# KiCad board demo_matrix2.kicad_pcb (continued)
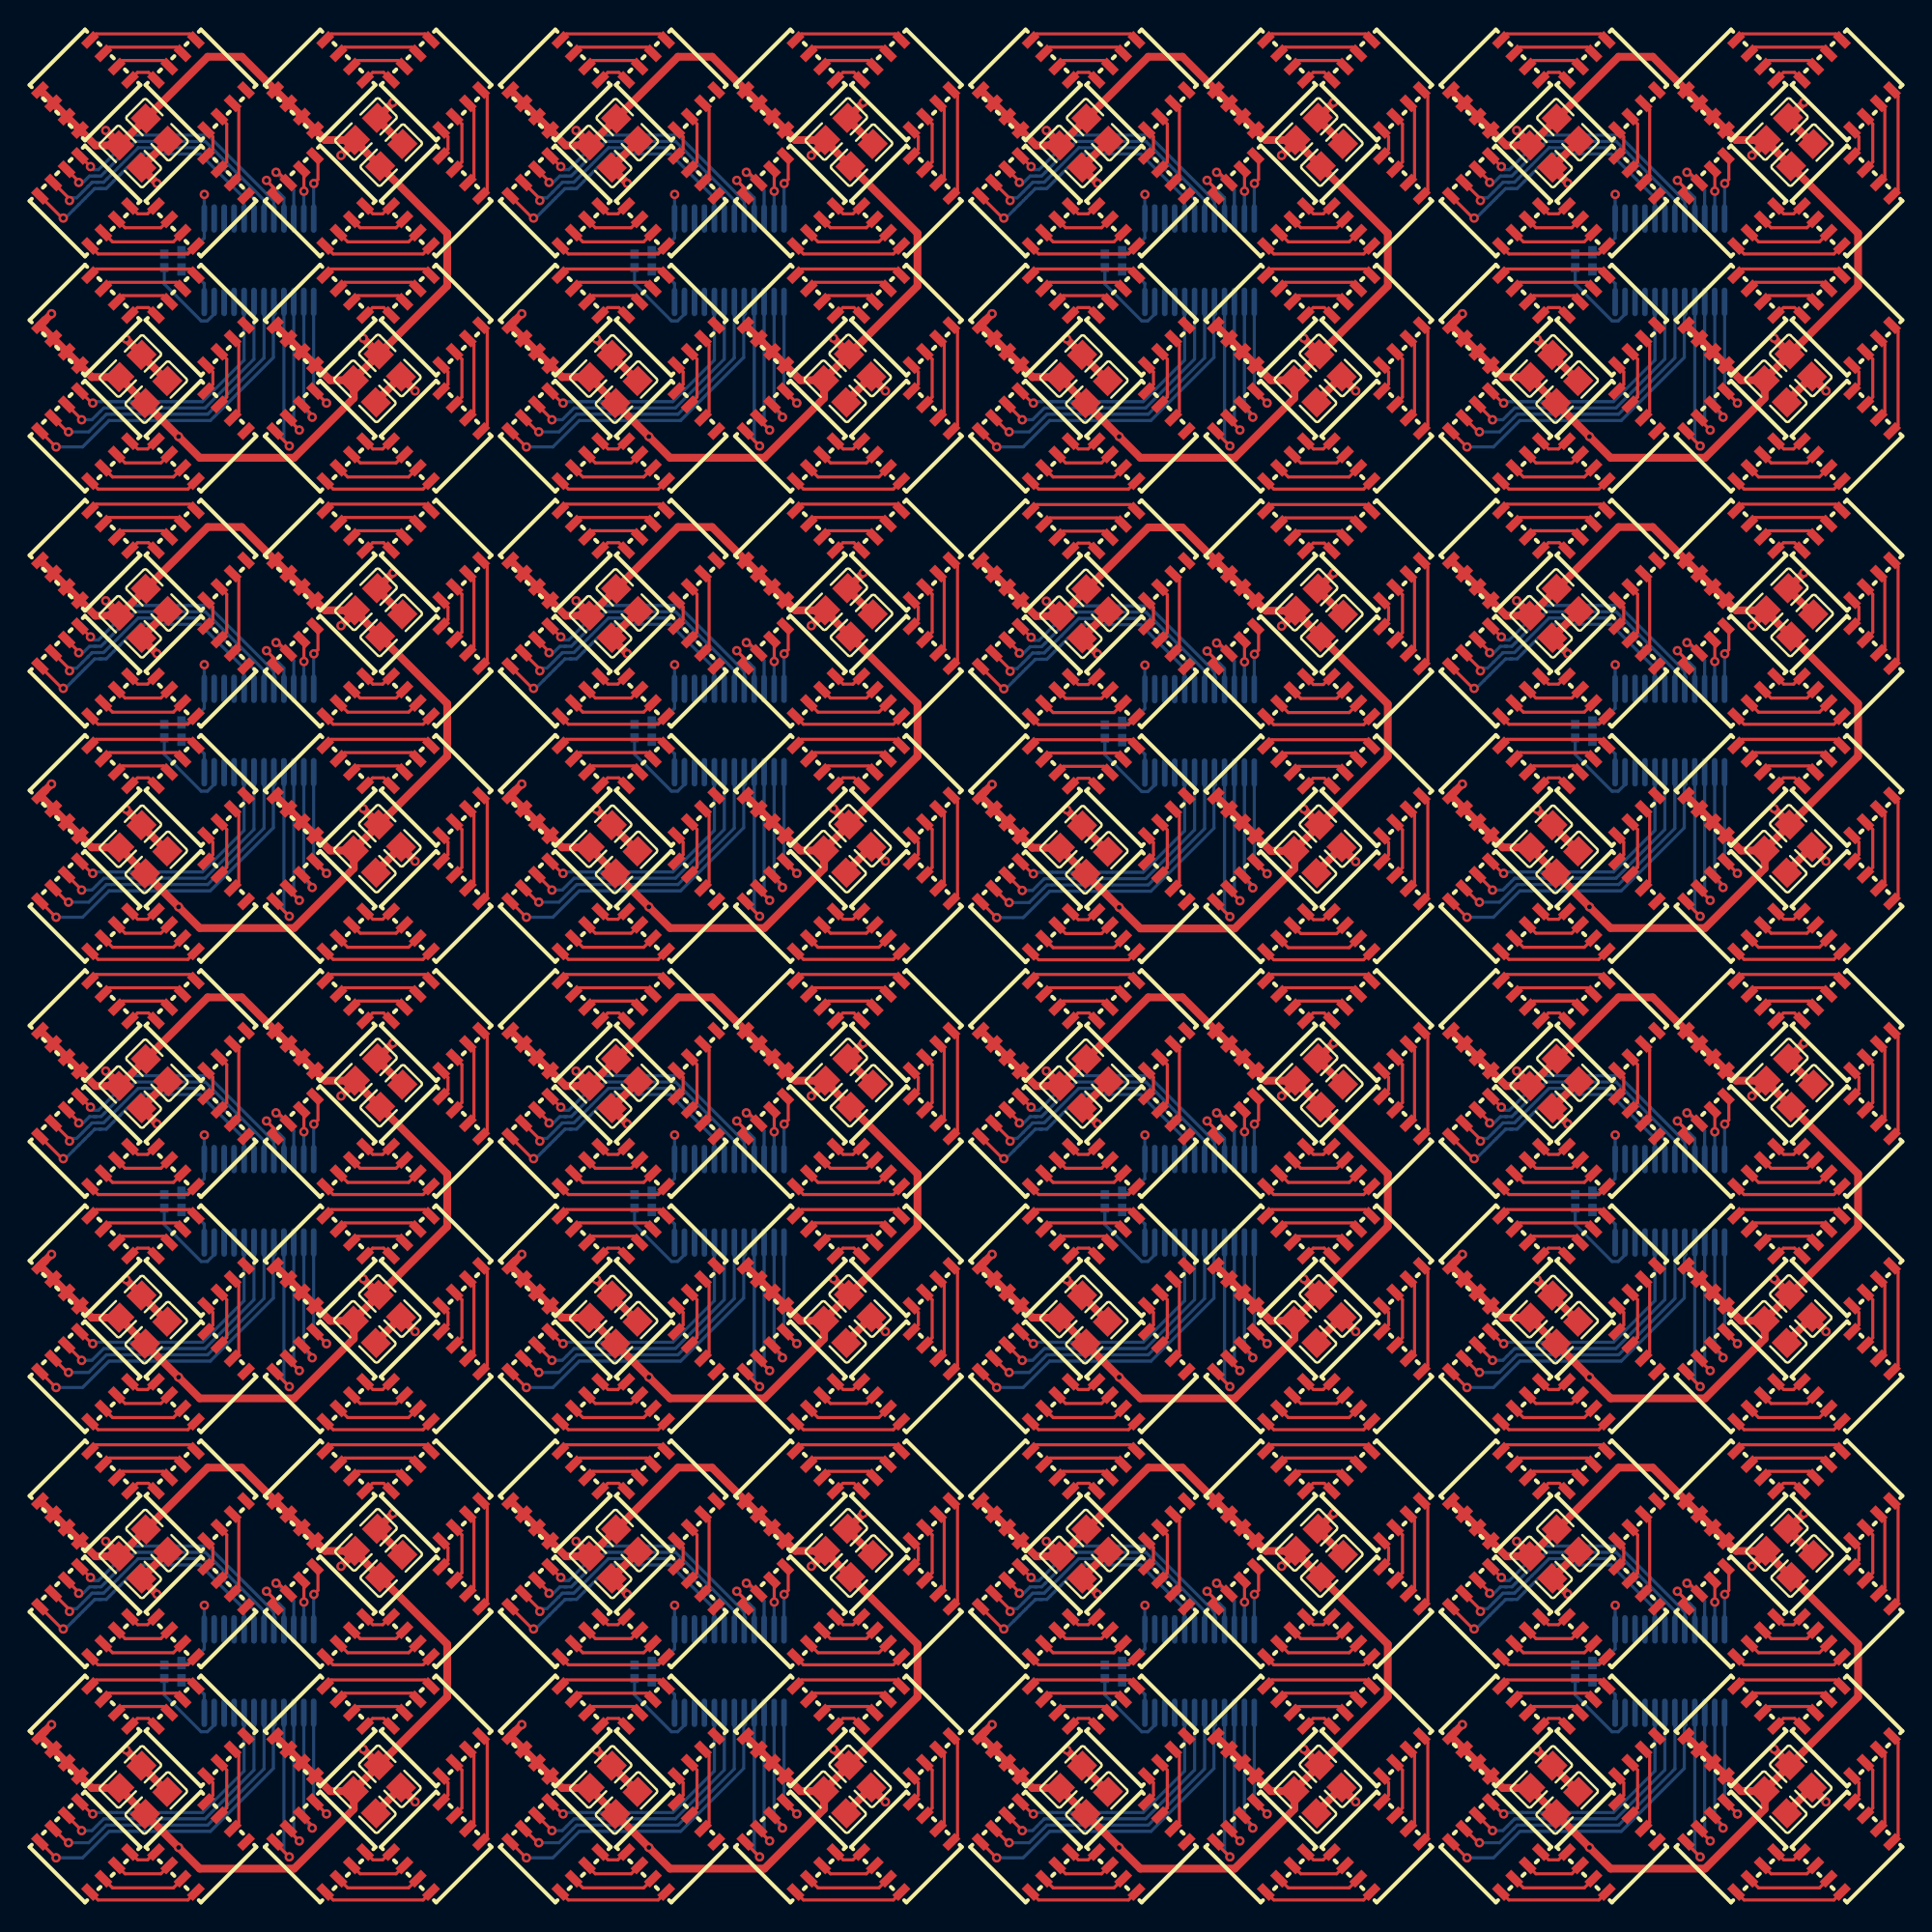
[diagram p0: board, top side]
## Library data of the parts (continued)
R3 = -: Datasheet: https://www.lcsc.com/datasheet/lcsc_datasheet_2411221126_UNI-ROYAL-Uniroyal-Elec-0402WGF1002TCE_C25744.pdf; checksum: 6794d27730a4ff2200dab6be287e37b344d99a421712ea6a3ee1068f57fa7c12; __atopile_lib_fp_hash__: f67d9541-b893-78ac-aa2d-47e1c8a7e46a; LCSC: C25744; Manufacturer: UNI-ROYAL(Uniroyal Elec); Partnumber: 0402WGF1002TCE; PARAM_max_power: {"type": "Quantity_Set_Discrete", "data": {"intervals": {"type": "Numeric_Interval_Disjoint", "data": {"intervals": [{"type": "Numeric_Interval", "data": {"min": 0.0625, "max": 0.0625}}]}}, "unit": "watt"}}; PARAM_max_voltage: {"type": "Quantity_Set_Discrete", "data": {"intervals": {"type": "Numeric_Interval_Disjoint", "data": {"intervals": [{"type": "Numeric_Interval", "data": {"min": 50.0, "max": 50.0}}]}}, "unit": "volt"}}; PARAM_resistance: {"type": "Quantity_Interval_Disjoint", "data": {"intervals": {"type": "Numeric_Interval_Disjoint", "data": {"intervals": [{"type": "Numeric_Interval", "data": {"min": 9900.000002235174, "max": 10099.999997764826}}]}}, "unit": "ohm"}}; atopile_address: clusters[2].driver.rext_resistor; atopile_subaddresses: [elec/layout/cluster2x2/cluster2x2.kicad_pcb:driver.rext_resistor, elec/src/macroblock-mbi5043/layouts/default/default.kicad_pcb:rext_resistor]
R4 = -: Datasheet: https://www.lcsc.com/datasheet/lcsc_datasheet_2411221126_UNI-ROYAL-Uniroyal-Elec-0402WGF1002TCE_C25744.pdf; checksum: 6794d27730a4ff2200dab6be287e37b344d99a421712ea6a3ee1068f57fa7c12; __atopile_lib_fp_hash__: f67d9541-b893-78ac-aa2d-47e1c8a7e46a; LCSC: C25744; Manufacturer: UNI-ROYAL(Uniroyal Elec); Partnumber: 0402WGF1002TCE; PARAM_max_power: {"type": "Quantity_Set_Discrete", "data": {"intervals": {"type": "Numeric_Interval_Disjoint", "data": {"intervals": [{"type": "Numeric_Interval", "data": {"min": 0.0625, "max": 0.0625}}]}}, "unit": "watt"}}; PARAM_max_voltage: {"type": "Quantity_Set_Discrete", "data": {"intervals": {"type": "Numeric_Interval_Disjoint", "data": {"intervals": [{"type": "Numeric_Interval", "data": {"min": 50.0, "max": 50.0}}]}}, "unit": "volt"}}; PARAM_resistance: {"type": "Quantity_Interval_Disjoint", "data": {"intervals": {"type": "Numeric_Interval_Disjoint", "data": {"intervals": [{"type": "Numeric_Interval", "data": {"min": 9900.000002235174, "max": 10099.999997764826}}]}}, "unit": "ohm"}}; atopile_address: clusters[3].driver.rext_resistor; atopile_subaddresses: [elec/layout/cluster2x2/cluster2x2.kicad_pcb:driver.rext_resistor, elec/src/macroblock-mbi5043/layouts/default/default.kicad_pcb:rext_resistor]
R5 = -: Datasheet: https://www.lcsc.com/datasheet/lcsc_datasheet_2411221126_UNI-ROYAL-Uniroyal-Elec-0402WGF1002TCE_C25744.pdf; checksum: 6794d27730a4ff2200dab6be287e37b344d99a421712ea6a3ee1068f57fa7c12; __atopile_lib_fp_hash__: f67d9541-b893-78ac-aa2d-47e1c8a7e46a; LCSC: C25744; Manufacturer: UNI-ROYAL(Uniroyal Elec); Partnumber: 0402WGF1002TCE; PARAM_max_power: {"type": "Quantity_Set_Discrete", "data": {"intervals": {"type": "Numeric_Interval_Disjoint", "data": {"intervals": [{"type": "Numeric_Interval", "data": {"min": 0.0625, "max": 0.0625}}]}}, "unit": "watt"}}; PARAM_max_voltage: {"type": "Quantity_Set_Discrete", "data": {"intervals": {"type": "Numeric_Interval_Disjoint", "data": {"intervals": [{"type": "Numeric_Interval", "data": {"min": 50.0, "max": 50.0}}]}}, "unit": "volt"}}; PARAM_resistance: {"type": "Quantity_Interval_Disjoint", "data": {"intervals": {"type": "Numeric_Interval_Disjoint", "data": {"intervals": [{"type": "Numeric_Interval", "data": {"min": 9900.000002235174, "max": 10099.999997764826}}]}}, "unit": "ohm"}}; atopile_address: clusters[4].driver.rext_resistor; atopile_subaddresses: [elec/layout/cluster2x2/cluster2x2.kicad_pcb:driver.rext_resistor, elec/src/macroblock-mbi5043/layouts/default/default.kicad_pcb:rext_resistor]
R6 = -: Datasheet: https://www.lcsc.com/datasheet/lcsc_datasheet_2411221126_UNI-ROYAL-Uniroyal-Elec-0402WGF1002TCE_C25744.pdf; checksum: 6794d27730a4ff2200dab6be287e37b344d99a421712ea6a3ee1068f57fa7c12; __atopile_lib_fp_hash__: f67d9541-b893-78ac-aa2d-47e1c8a7e46a; LCSC: C25744; Manufacturer: UNI-ROYAL(Uniroyal Elec); Partnumber: 0402WGF1002TCE; PARAM_max_power: {"type": "Quantity_Set_Discrete", "data": {"intervals": {"type": "Numeric_Interval_Disjoint", "data": {"intervals": [{"type": "Numeric_Interval", "data": {"min": 0.0625, "max": 0.0625}}]}}, "unit": "watt"}}; PARAM_max_voltage: {"type": "Quantity_Set_Discrete", "data": {"intervals": {"type": "Numeric_Interval_Disjoint", "data": {"intervals": [{"type": "Numeric_Interval", "data": {"min": 50.0, "max": 50.0}}]}}, "unit": "volt"}}; PARAM_resistance: {"type": "Quantity_Interval_Disjoint", "data": {"intervals": {"type": "Numeric_Interval_Disjoint", "data": {"intervals": [{"type": "Numeric_Interval", "data": {"min": 9900.000002235174, "max": 10099.999997764826}}]}}, "unit": "ohm"}}; atopile_address: clusters[5].driver.rext_resistor; atopile_subaddresses: [elec/layout/cluster2x2/cluster2x2.kicad_pcb:driver.rext_resistor, elec/src/macroblock-mbi5043/layouts/default/default.kicad_pcb:rext_resistor]
R7 = -: Datasheet: https://www.lcsc.com/datasheet/lcsc_datasheet_2411221126_UNI-ROYAL-Uniroyal-Elec-0402WGF1002TCE_C25744.pdf; checksum: 6794d27730a4ff2200dab6be287e37b344d99a421712ea6a3ee1068f57fa7c12; __atopile_lib_fp_hash__: f67d9541-b893-78ac-aa2d-47e1c8a7e46a; LCSC: C25744; Manufacturer: UNI-ROYAL(Uniroyal Elec); Partnumber: 0402WGF1002TCE; PARAM_max_power: {"type": "Quantity_Set_Discrete", "data": {"intervals": {"type": "Numeric_Interval_Disjoint", "data": {"intervals": [{"type": "Numeric_Interval", "data": {"min": 0.0625, "max": 0.0625}}]}}, "unit": "watt"}}; PARAM_max_voltage: {"type": "Quantity_Set_Discrete", "data": {"intervals": {"type": "Numeric_Interval_Disjoint", "data": {"intervals": [{"type": "Numeric_Interval", "data": {"min": 50.0, "max": 50.0}}]}}, "unit": "volt"}}; PARAM_resistance: {"type": "Quantity_Interval_Disjoint", "data": {"intervals": {"type": "Numeric_Interval_Disjoint", "data": {"intervals": [{"type": "Numeric_Interval", "data": {"min": 9900.000002235174, "max": 10099.999997764826}}]}}, "unit": "ohm"}}; atopile_address: clusters[6].driver.rext_resistor; atopile_subaddresses: [elec/layout/cluster2x2/cluster2x2.kicad_pcb:driver.rext_resistor, elec/src/macroblock-mbi5043/layouts/default/default.kicad_pcb:rext_resistor]
R8 = -: Datasheet: https://www.lcsc.com/datasheet/lcsc_datasheet_2411221126_UNI-ROYAL-Uniroyal-Elec-0402WGF1002TCE_C25744.pdf; checksum: 6794d27730a4ff2200dab6be287e37b344d99a421712ea6a3ee1068f57fa7c12; __atopile_lib_fp_hash__: f67d9541-b893-78ac-aa2d-47e1c8a7e46a; LCSC: C25744; Manufacturer: UNI-ROYAL(Uniroyal Elec); Partnumber: 0402WGF1002TCE; PARAM_max_power: {"type": "Quantity_Set_Discrete", "data": {"intervals": {"type": "Numeric_Interval_Disjoint", "data": {"intervals": [{"type": "Numeric_Interval", "data": {"min": 0.0625, "max": 0.0625}}]}}, "unit": "watt"}}; PARAM_max_voltage: {"type": "Quantity_Set_Discrete", "data": {"intervals": {"type": "Numeric_Interval_Disjoint", "data": {"intervals": [{"type": "Numeric_Interval", "data": {"min": 50.0, "max": 50.0}}]}}, "unit": "volt"}}; PARAM_resistance: {"type": "Quantity_Interval_Disjoint", "data": {"intervals": {"type": "Numeric_Interval_Disjoint", "data": {"intervals": [{"type": "Numeric_Interval", "data": {"min": 9900.000002235174, "max": 10099.999997764826}}]}}, "unit": "ohm"}}; atopile_address: clusters[7].driver.rext_resistor; atopile_subaddresses: [elec/layout/cluster2x2/cluster2x2.kicad_pcb:driver.rext_resistor, elec/src/macroblock-mbi5043/layouts/default/default.kicad_pcb:rext_resistor]
R9 = -: Datasheet: https://www.lcsc.com/datasheet/lcsc_datasheet_2411221126_UNI-ROYAL-Uniroyal-Elec-0402WGF1002TCE_C25744.pdf; checksum: 6794d27730a4ff2200dab6be287e37b344d99a421712ea6a3ee1068f57fa7c12; __atopile_lib_fp_hash__: f67d9541-b893-78ac-aa2d-47e1c8a7e46a; LCSC: C25744; Manufacturer: UNI-ROYAL(Uniroyal Elec); Partnumber: 0402WGF1002TCE; PARAM_max_power: {"type": "Quantity_Set_Discrete", "data": {"intervals": {"type": "Numeric_Interval_Disjoint", "data": {"intervals": [{"type": "Numeric_Interval", "data": {"min": 0.0625, "max": 0.0625}}]}}, "unit": "watt"}}; PARAM_max_voltage: {"type": "Quantity_Set_Discrete", "data": {"intervals": {"type": "Numeric_Interval_Disjoint", "data": {"intervals": [{"type": "Numeric_Interval", "data": {"min": 50.0, "max": 50.0}}]}}, "unit": "volt"}}; PARAM_resistance: {"type": "Quantity_Interval_Disjoint", "data": {"intervals": {"type": "Numeric_Interval_Disjoint", "data": {"intervals": [{"type": "Numeric_Interval", "data": {"min": 9900.000002235174, "max": 10099.999997764826}}]}}, "unit": "ohm"}}; atopile_address: clusters[8].driver.rext_resistor; atopile_subaddresses: [elec/layout/cluster2x2/cluster2x2.kicad_pcb:driver.rext_resistor, elec/src/macroblock-mbi5043/layouts/default/default.kicad_pcb:rext_resistor]
R10 = -: Datasheet: https://www.lcsc.com/datasheet/lcsc_datasheet_2411221126_UNI-ROYAL-Uniroyal-Elec-0402WGF1002TCE_C25744.pdf; checksum: 6794d27730a4ff2200dab6be287e37b344d99a421712ea6a3ee1068f57fa7c12; __atopile_lib_fp_hash__: f67d9541-b893-78ac-aa2d-47e1c8a7e46a; LCSC: C25744; Manufacturer: UNI-ROYAL(Uniroyal Elec); Partnumber: 0402WGF1002TCE; PARAM_max_power: {"type": "Quantity_Set_Discrete", "data": {"intervals": {"type": "Numeric_Interval_Disjoint", "data": {"intervals": [{"type": "Numeric_Interval", "data": {"min": 0.0625, "max": 0.0625}}]}}, "unit": "watt"}}; PARAM_max_voltage: {"type": "Quantity_Set_Discrete", "data": {"intervals": {"type": "Numeric_Interval_Disjoint", "data": {"intervals": [{"type": "Numeric_Interval", "data": {"min": 50.0, "max": 50.0}}]}}, "unit": "volt"}}; PARAM_resistance: {"type": "Quantity_Interval_Disjoint", "data": {"intervals": {"type": "Numeric_Interval_Disjoint", "data": {"intervals": [{"type": "Numeric_Interval", "data": {"min": 9900.000002235174, "max": 10099.999997764826}}]}}, "unit": "ohm"}}; atopile_address: clusters[9].driver.rext_resistor; atopile_subaddresses: [elec/layout/cluster2x2/cluster2x2.kicad_pcb:driver.rext_resistor, elec/src/macroblock-mbi5043/layouts/default/default.kicad_pcb:rext_resistor]
R11 = -: Datasheet: https://www.lcsc.com/datasheet/lcsc_datasheet_2411221126_UNI-ROYAL-Uniroyal-Elec-0402WGF1002TCE_C25744.pdf; checksum: 6794d27730a4ff2200dab6be287e37b344d99a421712ea6a3ee1068f57fa7c12; __atopile_lib_fp_hash__: f67d9541-b893-78ac-aa2d-47e1c8a7e46a; LCSC: C25744; Manufacturer: UNI-ROYAL(Uniroyal Elec); Partnumber: 0402WGF1002TCE; PARAM_max_power: {"type": "Quantity_Set_Discrete", "data": {"intervals": {"type": "Numeric_Interval_Disjoint", "data": {"intervals": [{"type": "Numeric_Interval", "data": {"min": 0.0625, "max": 0.0625}}]}}, "unit": "watt"}}; PARAM_max_voltage: {"type": "Quantity_Set_Discrete", "data": {"intervals": {"type": "Numeric_Interval_Disjoint", "data": {"intervals": [{"type": "Numeric_Interval", "data": {"min": 50.0, "max": 50.0}}]}}, "unit": "volt"}}; PARAM_resistance: {"type": "Quantity_Interval_Disjoint", "data": {"intervals": {"type": "Numeric_Interval_Disjoint", "data": {"intervals": [{"type": "Numeric_Interval", "data": {"min": 9900.000002235174, "max": 10099.999997764826}}]}}, "unit": "ohm"}}; atopile_address: clusters[10].driver.rext_resistor; atopile_subaddresses: [elec/layout/cluster2x2/cluster2x2.kicad_pcb:driver.rext_resistor, elec/src/macroblock-mbi5043/layouts/default/default.kicad_pcb:rext_resistor]
R12 = -: Datasheet: https://www.lcsc.com/datasheet/lcsc_datasheet_2411221126_UNI-ROYAL-Uniroyal-Elec-0402WGF1002TCE_C25744.pdf; checksum: 6794d27730a4ff2200dab6be287e37b344d99a421712ea6a3ee1068f57fa7c12; __atopile_lib_fp_hash__: f67d9541-b893-78ac-aa2d-47e1c8a7e46a; LCSC: C25744; Manufacturer: UNI-ROYAL(Uniroyal Elec); Partnumber: 0402WGF1002TCE; PARAM_max_power: {"type": "Quantity_Set_Discrete", "data": {"intervals": {"type": "Numeric_Interval_Disjoint", "data": {"intervals": [{"type": "Numeric_Interval", "data": {"min": 0.0625, "max": 0.0625}}]}}, "unit": "watt"}}; PARAM_max_voltage: {"type": "Quantity_Set_Discrete", "data": {"intervals": {"type": "Numeric_Interval_Disjoint", "data": {"intervals": [{"type": "Numeric_Interval", "data": {"min": 50.0, "max": 50.0}}]}}, "unit": "volt"}}; PARAM_resistance: {"type": "Quantity_Interval_Disjoint", "data": {"intervals": {"type": "Numeric_Interval_Disjoint", "data": {"intervals": [{"type": "Numeric_Interval", "data": {"min": 9900.000002235174, "max": 10099.999997764826}}]}}, "unit": "ohm"}}; atopile_address: clusters[11].driver.rext_resistor; atopile_subaddresses: [elec/layout/cluster2x2/cluster2x2.kicad_pcb:driver.rext_resistor, elec/src/macroblock-mbi5043/layouts/default/default.kicad_pcb:rext_resistor]
R13 = -: Datasheet: https://www.lcsc.com/datasheet/lcsc_datasheet_2411221126_UNI-ROYAL-Uniroyal-Elec-0402WGF1002TCE_C25744.pdf; checksum: 6794d27730a4ff2200dab6be287e37b344d99a421712ea6a3ee1068f57fa7c12; __atopile_lib_fp_hash__: f67d9541-b893-78ac-aa2d-47e1c8a7e46a; LCSC: C25744; Manufacturer: UNI-ROYAL(Uniroyal Elec); Partnumber: 0402WGF1002TCE; PARAM_max_power: {"type": "Quantity_Set_Discrete", "data": {"intervals": {"type": "Numeric_Interval_Disjoint", "data": {"intervals": [{"type": "Numeric_Interval", "data": {"min": 0.0625, "max": 0.0625}}]}}, "unit": "watt"}}; PARAM_max_voltage: {"type": "Quantity_Set_Discrete", "data": {"intervals": {"type": "Numeric_Interval_Disjoint", "data": {"intervals": [{"type": "Numeric_Interval", "data": {"min": 50.0, "max": 50.0}}]}}, "unit": "volt"}}; PARAM_resistance: {"type": "Quantity_Interval_Disjoint", "data": {"intervals": {"type": "Numeric_Interval_Disjoint", "data": {"intervals": [{"type": "Numeric_Interval", "data": {"min": 9900.000002235174, "max": 10099.999997764826}}]}}, "unit": "ohm"}}; atopile_address: clusters[12].driver.rext_resistor; atopile_subaddresses: [elec/layout/cluster2x2/cluster2x2.kicad_pcb:driver.rext_resistor, elec/src/macroblock-mbi5043/layouts/default/default.kicad_pcb:rext_resistor]
R14 = -: Datasheet: https://www.lcsc.com/datasheet/lcsc_datasheet_2411221126_UNI-ROYAL-Uniroyal-Elec-0402WGF1002TCE_C25744.pdf; checksum: 6794d27730a4ff2200dab6be287e37b344d99a421712ea6a3ee1068f57fa7c12; __atopile_lib_fp_hash__: f67d9541-b893-78ac-aa2d-47e1c8a7e46a; LCSC: C25744; Manufacturer: UNI-ROYAL(Uniroyal Elec); Partnumber: 0402WGF1002TCE; PARAM_max_power: {"type": "Quantity_Set_Discrete", "data": {"intervals": {"type": "Numeric_Interval_Disjoint", "data": {"intervals": [{"type": "Numeric_Interval", "data": {"min": 0.0625, "max": 0.0625}}]}}, "unit": "watt"}}; PARAM_max_voltage: {"type": "Quantity_Set_Discrete", "data": {"intervals": {"type": "Numeric_Interval_Disjoint", "data": {"intervals": [{"type": "Numeric_Interval", "data": {"min": 50.0, "max": 50.0}}]}}, "unit": "volt"}}; PARAM_resistance: {"type": "Quantity_Interval_Disjoint", "data": {"intervals": {"type": "Numeric_Interval_Disjoint", "data": {"intervals": [{"type": "Numeric_Interval", "data": {"min": 9900.000002235174, "max": 10099.999997764826}}]}}, "unit": "ohm"}}; atopile_address: clusters[13].driver.rext_resistor; atopile_subaddresses: [elec/layout/cluster2x2/cluster2x2.kicad_pcb:driver.rext_resistor, elec/src/macroblock-mbi5043/layouts/default/default.kicad_pcb:rext_resistor]
R15 = -: Datasheet: https://www.lcsc.com/datasheet/lcsc_datasheet_2411221126_UNI-ROYAL-Uniroyal-Elec-0402WGF1002TCE_C25744.pdf; checksum: 6794d27730a4ff2200dab6be287e37b344d99a421712ea6a3ee1068f57fa7c12; __atopile_lib_fp_hash__: f67d9541-b893-78ac-aa2d-47e1c8a7e46a; LCSC: C25744; Manufacturer: UNI-ROYAL(Uniroyal Elec); Partnumber: 0402WGF1002TCE; PARAM_max_power: {"type": "Quantity_Set_Discrete", "data": {"intervals": {"type": "Numeric_Interval_Disjoint", "data": {"intervals": [{"type": "Numeric_Interval", "data": {"min": 0.0625, "max": 0.0625}}]}}, "unit": "watt"}}; PARAM_max_voltage: {"type": "Quantity_Set_Discrete", "data": {"intervals": {"type": "Numeric_Interval_Disjoint", "data": {"intervals": [{"type": "Numeric_Interval", "data": {"min": 50.0, "max": 50.0}}]}}, "unit": "volt"}}; PARAM_resistance: {"type": "Quantity_Interval_Disjoint", "data": {"intervals": {"type": "Numeric_Interval_Disjoint", "data": {"intervals": [{"type": "Numeric_Interval", "data": {"min": 9900.000002235174, "max": 10099.999997764826}}]}}, "unit": "ohm"}}; atopile_address: clusters[14].driver.rext_resistor; atopile_subaddresses: [elec/layout/cluster2x2/cluster2x2.kicad_pcb:driver.rext_resistor, elec/src/macroblock-mbi5043/layouts/default/default.kicad_pcb:rext_resistor]
R16 = -: Datasheet: https://www.lcsc.com/datasheet/lcsc_datasheet_2411221126_UNI-ROYAL-Uniroyal-Elec-0402WGF1002TCE_C25744.pdf; checksum: 6794d27730a4ff2200dab6be287e37b344d99a421712ea6a3ee1068f57fa7c12; __atopile_lib_fp_hash__: f67d9541-b893-78ac-aa2d-47e1c8a7e46a; LCSC: C25744; Manufacturer: UNI-ROYAL(Uniroyal Elec); Partnumber: 0402WGF1002TCE; PARAM_max_power: {"type": "Quantity_Set_Discrete", "data": {"intervals": {"type": "Numeric_Interval_Disjoint", "data": {"intervals": [{"type": "Numeric_Interval", "data": {"min": 0.0625, "max": 0.0625}}]}}, "unit": "watt"}}; PARAM_max_voltage: {"type": "Quantity_Set_Discrete", "data": {"intervals": {"type": "Numeric_Interval_Disjoint", "data": {"intervals": [{"type": "Numeric_Interval", "data": {"min": 50.0, "max": 50.0}}]}}, "unit": "volt"}}; PARAM_resistance: {"type": "Quantity_Interval_Disjoint", "data": {"intervals": {"type": "Numeric_Interval_Disjoint", "data": {"intervals": [{"type": "Numeric_Interval", "data": {"min": 9900.000002235174, "max": 10099.999997764826}}]}}, "unit": "ohm"}}; atopile_address: clusters[15].driver.rext_resistor; atopile_subaddresses: [elec/layout/cluster2x2/cluster2x2.kicad_pcb:driver.rext_resistor, elec/src/macroblock-mbi5043/layouts/default/default.kicad_pcb:rext_resistor]
U1 = -: Datasheet: https://lcsc.com/datasheet/lcsc_datasheet_1811151431_MBI-MBI5043GP-A_C110098.pdf; checksum: 5792f8483db8260f8c71da5608b862a12d506544ca95340a0a29b8e31339a3e3; __atopile_lib_fp_hash__: 9d096105-9cd5-0eb0-49a9-8c108e51ce37; LCSC: C110098; Manufacturer: MBI; Partnumber: MBI5043GP-A; atopile_address: clusters[0].driver.package; atopile_subaddresses: [elec/layout/cluster2x2/cluster2x2.kicad_pcb:driver.package, elec/src/macroblock-mbi5043/layouts/default/default.kicad_pcb:package]
U2 = -: checksum: abbb50a3236ad87f16b2eecc7cef22eaaafbaa4cd6fa429ffccee13826e3e06a; __atopile_lib_fp_hash__: 0e3c0a5e-8fd8-28f9-ced6-aad2b12f2041; atopile_address: clusters[0].rows[0].pixels[0].generic_pixel; atopile_subaddresses: [elec/layout/cluster2x2/cluster2x2.kicad_pcb:rows[0].pixels[0].generic_pixel, elec/layout/pixel15hl5050/pixel15hl5050.kicad_pcb:generic_pixel, elec/layout/row2/row2.kicad_pcb:pixels[0].generic_pixel]
U3 = -: checksum: abbb50a3236ad87f16b2eecc7cef22eaaafbaa4cd6fa429ffccee13826e3e06a; __atopile_lib_fp_hash__: 0e3c0a5e-8fd8-28f9-ced6-aad2b12f2041; atopile_address: clusters[0].rows[0].pixels[1].generic_pixel; atopile_subaddresses: [elec/layout/cluster2x2/cluster2x2.kicad_pcb:rows[0].pixels[1].generic_pixel, elec/layout/pixel15hl5050/pixel15hl5050.kicad_pcb:generic_pixel, elec/layout/row2/row2.kicad_pcb:pixels[1].generic_pixel]
U4 = -: checksum: abbb50a3236ad87f16b2eecc7cef22eaaafbaa4cd6fa429ffccee13826e3e06a; __atopile_lib_fp_hash__: 0e3c0a5e-8fd8-28f9-ced6-aad2b12f2041; atopile_address: clusters[0].rows[1].pixels[0].generic_pixel; atopile_subaddresses: [elec/layout/cluster2x2/cluster2x2.kicad_pcb:rows[1].pixels[0].generic_pixel, elec/layout/pixel15hl5050/pixel15hl5050.kicad_pcb:generic_pixel, elec/layout/row2/row2.kicad_pcb:pixels[0].generic_pixel]
U5 = -: checksum: abbb50a3236ad87f16b2eecc7cef22eaaafbaa4cd6fa429ffccee13826e3e06a; __atopile_lib_fp_hash__: 0e3c0a5e-8fd8-28f9-ced6-aad2b12f2041; atopile_address: clusters[0].rows[1].pixels[1].generic_pixel; atopile_subaddresses: [elec/layout/cluster2x2/cluster2x2.kicad_pcb:rows[1].pixels[1].generic_pixel, elec/layout/pixel15hl5050/pixel15hl5050.kicad_pcb:generic_pixel, elec/layout/row2/row2.kicad_pcb:pixels[1].generic_pixel]
U6 = -: Datasheet: https://lcsc.com/datasheet/lcsc_datasheet_1811151431_MBI-MBI5043GP-A_C110098.pdf; checksum: 5792f8483db8260f8c71da5608b862a12d506544ca95340a0a29b8e31339a3e3; __atopile_lib_fp_hash__: 9d096105-9cd5-0eb0-49a9-8c108e51ce37; LCSC: C110098; Manufacturer: MBI; Partnumber: MBI5043GP-A; atopile_address: clusters[1].driver.package; atopile_subaddresses: [elec/layout/cluster2x2/cluster2x2.kicad_pcb:driver.package, elec/src/macroblock-mbi5043/layouts/default/default.kicad_pcb:package]
U7 = -: checksum: abbb50a3236ad87f16b2eecc7cef22eaaafbaa4cd6fa429ffccee13826e3e06a; __atopile_lib_fp_hash__: 0e3c0a5e-8fd8-28f9-ced6-aad2b12f2041; atopile_address: clusters[1].rows[0].pixels[0].generic_pixel; atopile_subaddresses: [elec/layout/cluster2x2/cluster2x2.kicad_pcb:rows[0].pixels[0].generic_pixel, elec/layout/pixel15hl5050/pixel15hl5050.kicad_pcb:generic_pixel, elec/layout/row2/row2.kicad_pcb:pixels[0].generic_pixel]
U8 = -: checksum: abbb50a3236ad87f16b2eecc7cef22eaaafbaa4cd6fa429ffccee13826e3e06a; __atopile_lib_fp_hash__: 0e3c0a5e-8fd8-28f9-ced6-aad2b12f2041; atopile_address: clusters[1].rows[0].pixels[1].generic_pixel; atopile_subaddresses: [elec/layout/cluster2x2/cluster2x2.kicad_pcb:rows[0].pixels[1].generic_pixel, elec/layout/pixel15hl5050/pixel15hl5050.kicad_pcb:generic_pixel, elec/layout/row2/row2.kicad_pcb:pixels[1].generic_pixel]
U9 = -: checksum: abbb50a3236ad87f16b2eecc7cef22eaaafbaa4cd6fa429ffccee13826e3e06a; __atopile_lib_fp_hash__: 0e3c0a5e-8fd8-28f9-ced6-aad2b12f2041; atopile_address: clusters[1].rows[1].pixels[0].generic_pixel; atopile_subaddresses: [elec/layout/cluster2x2/cluster2x2.kicad_pcb:rows[1].pixels[0].generic_pixel, elec/layout/pixel15hl5050/pixel15hl5050.kicad_pcb:generic_pixel, elec/layout/row2/row2.kicad_pcb:pixels[0].generic_pixel]
U10 = -: checksum: abbb50a3236ad87f16b2eecc7cef22eaaafbaa4cd6fa429ffccee13826e3e06a; __atopile_lib_fp_hash__: 0e3c0a5e-8fd8-28f9-ced6-aad2b12f2041; atopile_address: clusters[1].rows[1].pixels[1].generic_pixel; atopile_subaddresses: [elec/layout/cluster2x2/cluster2x2.kicad_pcb:rows[1].pixels[1].generic_pixel, elec/layout/pixel15hl5050/pixel15hl5050.kicad_pcb:generic_pixel, elec/layout/row2/row2.kicad_pcb:pixels[1].generic_pixel]
U11 = -: Datasheet: https://lcsc.com/datasheet/lcsc_datasheet_1811151431_MBI-MBI5043GP-A_C110098.pdf; checksum: 5792f8483db8260f8c71da5608b862a12d506544ca95340a0a29b8e31339a3e3; __atopile_lib_fp_hash__: 9d096105-9cd5-0eb0-49a9-8c108e51ce37; LCSC: C110098; Manufacturer: MBI; Partnumber: MBI5043GP-A; atopile_address: clusters[2].driver.package; atopile_subaddresses: [elec/layout/cluster2x2/cluster2x2.kicad_pcb:driver.package, elec/src/macroblock-mbi5043/layouts/default/default.kicad_pcb:package]
U12 = -: checksum: abbb50a3236ad87f16b2eecc7cef22eaaafbaa4cd6fa429ffccee13826e3e06a; __atopile_lib_fp_hash__: 0e3c0a5e-8fd8-28f9-ced6-aad2b12f2041; atopile_address: clusters[2].rows[0].pixels[0].generic_pixel; atopile_subaddresses: [elec/layout/cluster2x2/cluster2x2.kicad_pcb:rows[0].pixels[0].generic_pixel, elec/layout/pixel15hl5050/pixel15hl5050.kicad_pcb:generic_pixel, elec/layout/row2/row2.kicad_pcb:pixels[0].generic_pixel]
U13 = -: checksum: abbb50a3236ad87f16b2eecc7cef22eaaafbaa4cd6fa429ffccee13826e3e06a; __atopile_lib_fp_hash__: 0e3c0a5e-8fd8-28f9-ced6-aad2b12f2041; atopile_address: clusters[2].rows[0].pixels[1].generic_pixel; atopile_subaddresses: [elec/layout/cluster2x2/cluster2x2.kicad_pcb:rows[0].pixels[1].generic_pixel, elec/layout/pixel15hl5050/pixel15hl5050.kicad_pcb:generic_pixel, elec/layout/row2/row2.kicad_pcb:pixels[1].generic_pixel]
U14 = -: checksum: abbb50a3236ad87f16b2eecc7cef22eaaafbaa4cd6fa429ffccee13826e3e06a; __atopile_lib_fp_hash__: 0e3c0a5e-8fd8-28f9-ced6-aad2b12f2041; atopile_address: clusters[2].rows[1].pixels[0].generic_pixel; atopile_subaddresses: [elec/layout/cluster2x2/cluster2x2.kicad_pcb:rows[1].pixels[0].generic_pixel, elec/layout/pixel15hl5050/pixel15hl5050.kicad_pcb:generic_pixel, elec/layout/row2/row2.kicad_pcb:pixels[0].generic_pixel]
U15 = -: checksum: abbb50a3236ad87f16b2eecc7cef22eaaafbaa4cd6fa429ffccee13826e3e06a; __atopile_lib_fp_hash__: 0e3c0a5e-8fd8-28f9-ced6-aad2b12f2041; atopile_address: clusters[2].rows[1].pixels[1].generic_pixel; atopile_subaddresses: [elec/layout/cluster2x2/cluster2x2.kicad_pcb:rows[1].pixels[1].generic_pixel, elec/layout/pixel15hl5050/pixel15hl5050.kicad_pcb:generic_pixel, elec/layout/row2/row2.kicad_pcb:pixels[1].generic_pixel]
U16 = -: Datasheet: https://lcsc.com/datasheet/lcsc_datasheet_1811151431_MBI-MBI5043GP-A_C110098.pdf; checksum: 5792f8483db8260f8c71da5608b862a12d506544ca95340a0a29b8e31339a3e3; __atopile_lib_fp_hash__: 9d096105-9cd5-0eb0-49a9-8c108e51ce37; LCSC: C110098; Manufacturer: MBI; Partnumber: MBI5043GP-A; atopile_address: clusters[3].driver.package; atopile_subaddresses: [elec/layout/cluster2x2/cluster2x2.kicad_pcb:driver.package, elec/src/macroblock-mbi5043/layouts/default/default.kicad_pcb:package]